# Altium PCB A车主控四层板V1.0.PcbDoc (part 1 of 2)
Units mil, origin at the board's own origin, x right, y up, seen from the top; angles counter-clockwise.
Board outline 6000 x 4000 mil, 2 copper layers (Top Layer, Bottom Layer); 110 components, 147 nets, 490 pads, 210 vias.
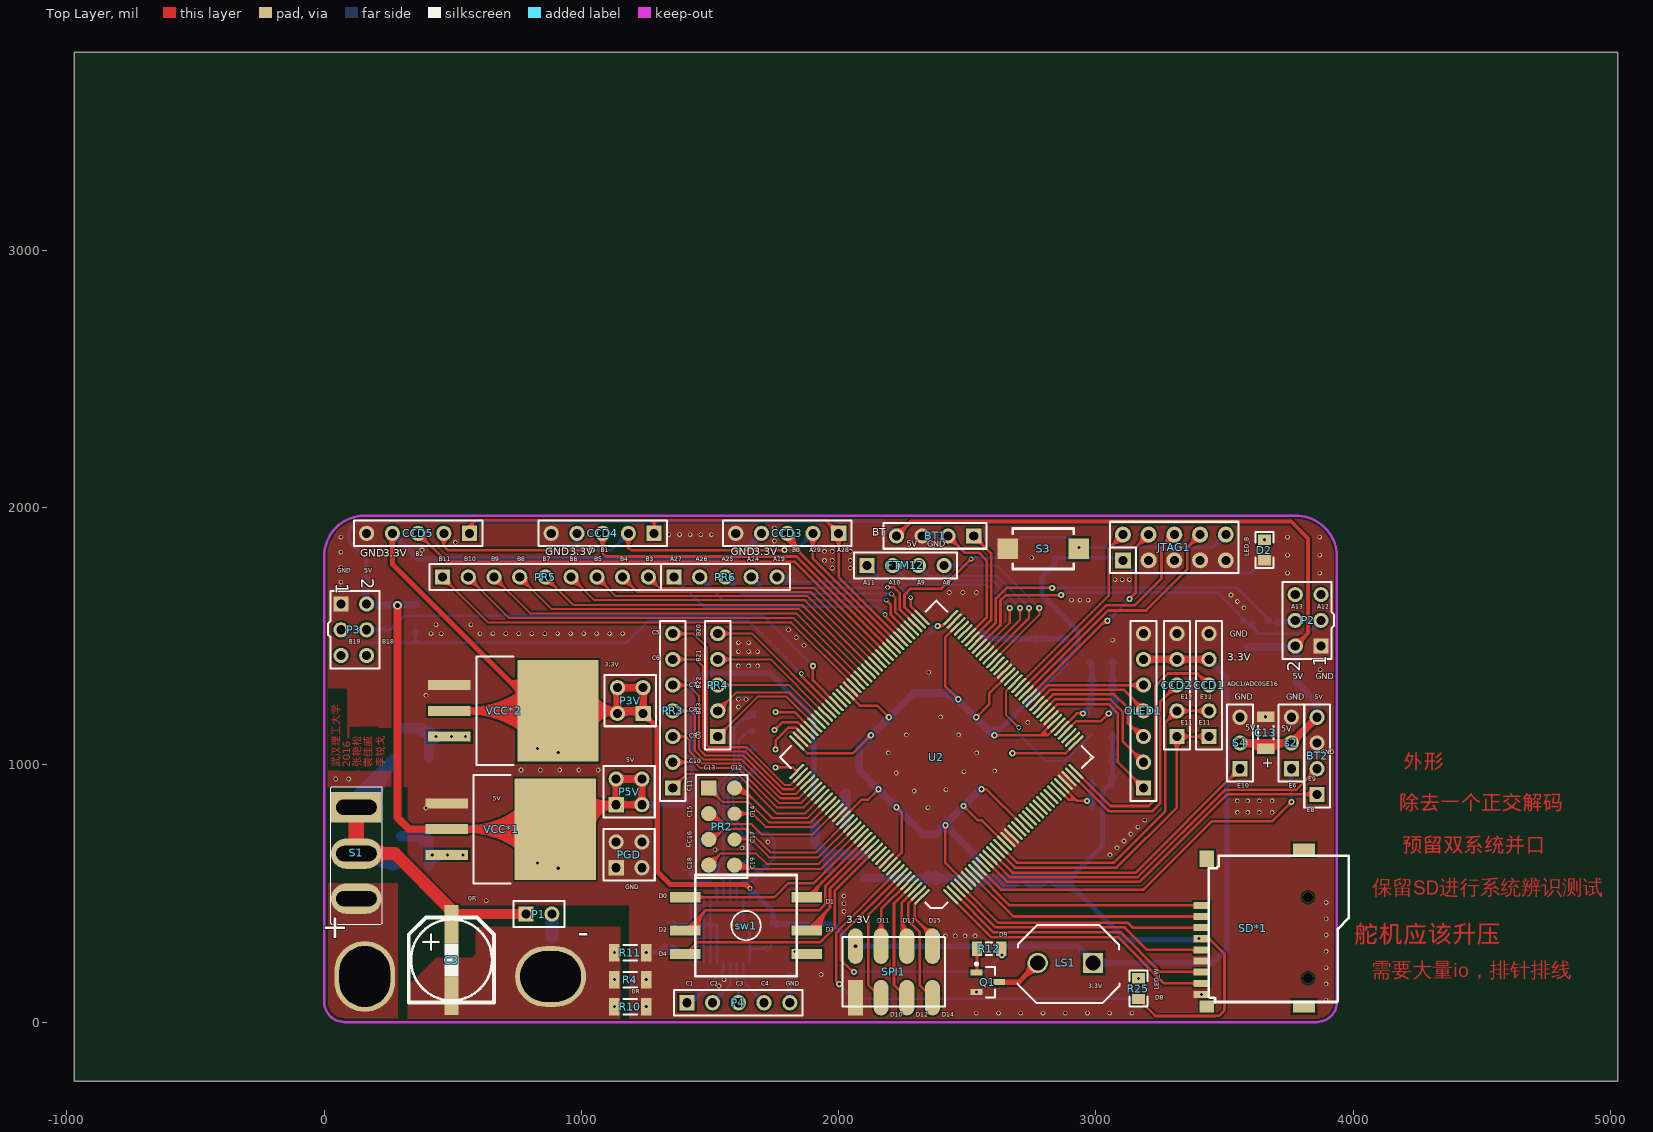
[diagram p0: Top Layer view]
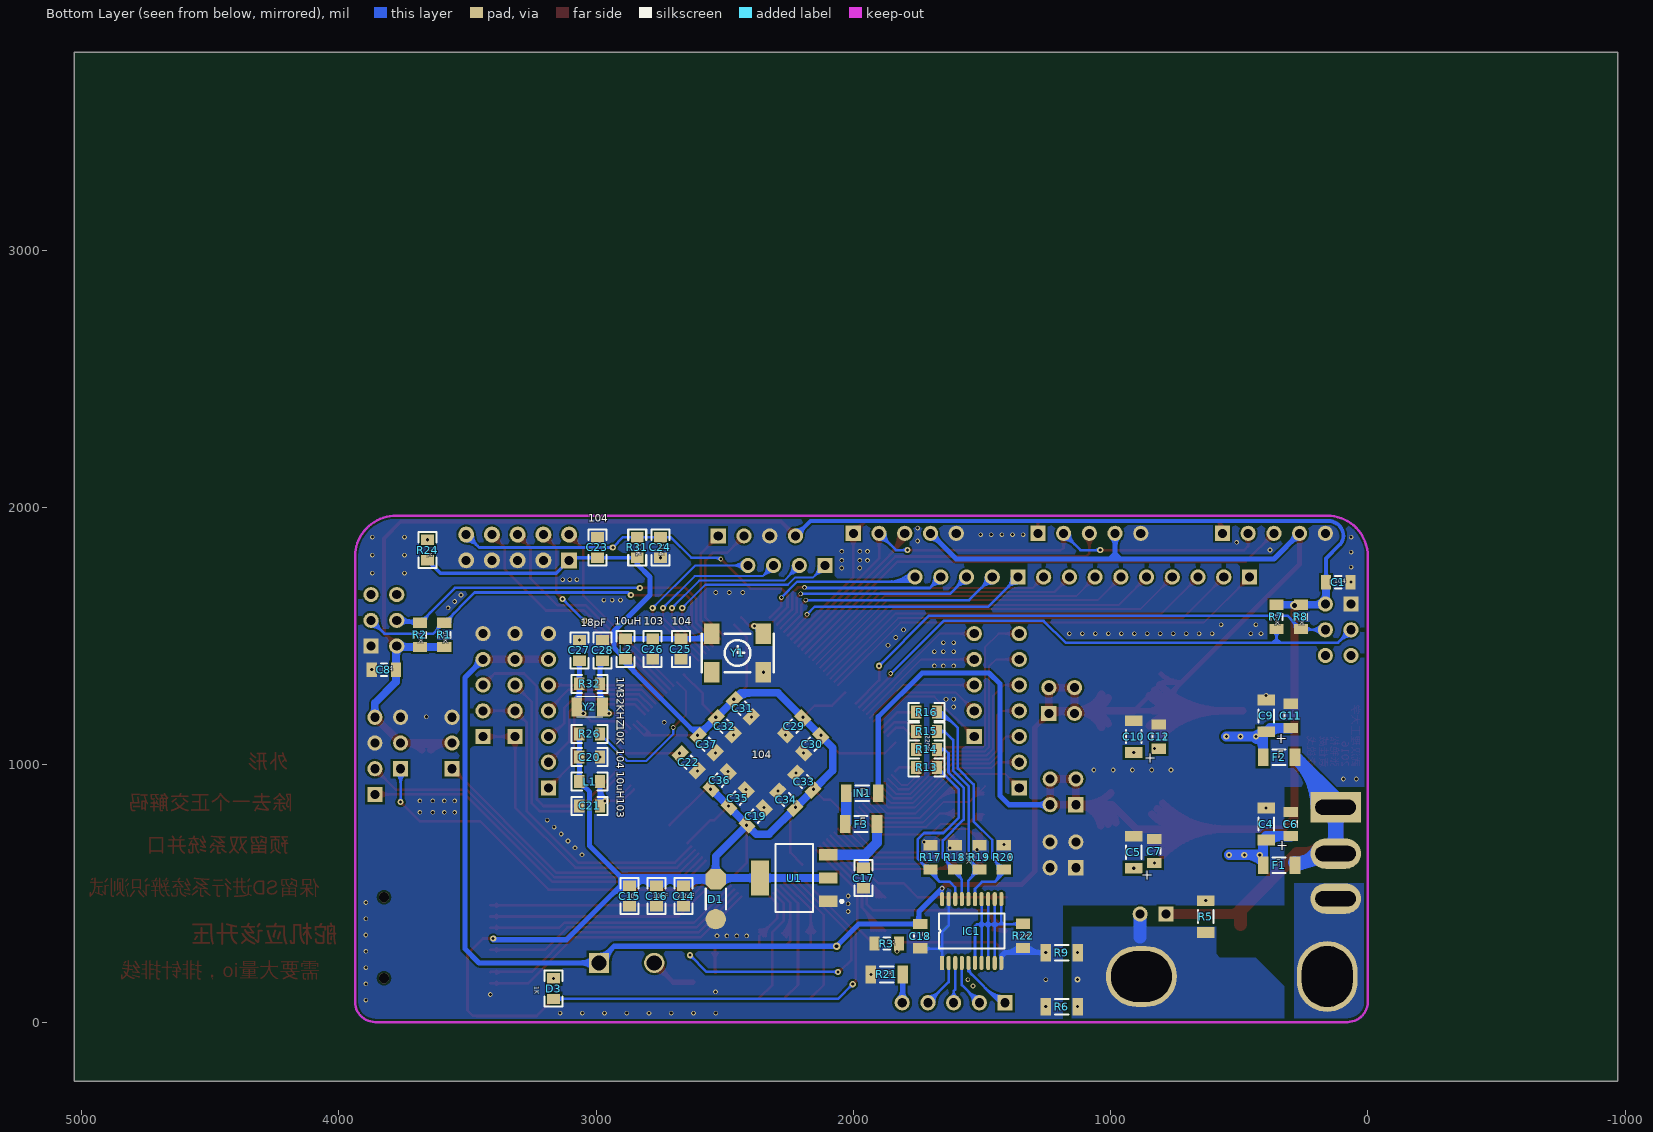
[diagram p1: Bottom Layer view, seen from below]

## Layer stack, top to bottom
Top Layer: signal copper 1.4
Dielectric: dielectric 12.6, FR-4, Dk 4.8
Bottom Layer: signal copper 1.4

## Board outline
-971.5,-230 5028.5,-230 5028.5,3770 -971.5,3770

## Design rules (kind name [scope] priority, off if disabled: settings)
Clearance [All] p1: gap=8
PlaneConnect [All] p1: planeconnectstyle=Direct reliefexpansion=20 reliefentries=4 reliefconductorwidth=10 reliefairgap=10
PolygonConnect [All] p1: connectstyle=Direct reliefconductorwidth=10 reliefentries=4 polygonreliefangle="90 Angle" airgapwidth=10
RoutingVias [All] p1: holewidth=28 width=50 viastyle="Through Hole" minholewidth=28 minwidth=50 maxholewidth=28 maxwidth=50
SolderMaskExpansion [All] p1: expansion=4
Width [All] p1: maxlimit=60 minlimit=8 preferedwidth=20 minimp=50.000000 maximp=50.000000 favimp=50.000000
27 further rules are at their usual default settings.

## Components (designator, comment, footprint, x,y, rotation, side; value= is the part's Value field where it differs from the comment)
BT1 "Header 4" HDR1X4 2525,1890 r180 top
BT2 "Header 4" HDR1X4 3860,885 r90 top
C1 "100nF" C2012 115,1710 r0 bottom
C3 "Cap Pol1" SMD-EC-F8 495,380 r270 top
C4 "Cap Pol1" 1206(2) 395,770 r90 bottom
C5 "Cap Pol1" 1206(2) 910,660 r90 bottom
C6 "Cap" C2012 300,770 r270 bottom
C7 "Cap" C2012 830,665 r270 bottom
C8 "100nF" C2012 3825,1370 r180 bottom
C9 "Cap Pol1" 1206(2) 395,1190 r90 bottom
C10 "Cap Pol1" 1206(2) 910,1110 r90 bottom
C11 "Cap" C2012 300,1190 r270 bottom
C12 "Cap" C2012 812.35,1110 r270 bottom
C13 "Cap Pol1" 1206(2) 3660,1125 r90 top
C14 "10uF" 0805 2660,490 r90 bottom
C15 "100nF" 0805 2870,490 r90 bottom
C16 "2.2uF" 0805 2765,490 r90 bottom
C17 "100nF" 0805 1960,560 r90 bottom
C18 "100nF" C2012 1740,334.02 r270 bottom
C19 "100nF" c2012 2380,800 r315 bottom
C20 "100nF" 0805 3025,1030 r0 bottom
C21 "10nF" 0805 3025,840 r180 bottom
C22 "100nF" c2012 2640,1010 r45 bottom
C23 "100nF" 0805 2995,1845 r90 bottom
C24 "100nF" 0805 2750,1845 r90 bottom
C25 "10nF" 0805 2670,1450 r90 bottom
C26 "100nF" 0805 2780,1450 r90 bottom
C27 "18pF" 0805 3065,1445 r270 bottom
C28 "18pF" 0805 2975,1445 r270 bottom
C29 "Cap" C2012 2230,1150 r135 bottom
C30 "Cap" C2012 2160,1080 r135 bottom
C31 "Cap" C2012 2430,1220 r45 bottom
C32 "Cap" C2012 2500,1150 r45 bottom
C33 "Cap" C2012 2190,935 r225 bottom
C34 "Cap" C2012 2260,865 r225 bottom
C35 "Cap" C2012 2450,870 r315 bottom
C36 "Cap" C2012 2520,940 r315 bottom
C37 "Cap" C2012 2570,1080 r45 bottom
CCD1 "CCD" HDR1X5 3440,1110 r90 top
CCD2 "CCD" HDR1X5 3315,1110 r90 top
CCD3 "CCD" HDR1X5 2000,1900 r180 top
CCD4 "CCD" HDR1X5 1282.5,1900 r180 top
CCD5 "CCD" HDR1X5 565,1900 r180 top
D1 "1N4729A" "hole-chip diode" 2495,400 r90 bottom
D2 "POWER" 0805 3655,1835 r270 top
D3 "POWER" 0805 3165,130 r270 bottom
F1 "1.5A" 1206(2) 345,610 r0 bottom
F2 "500mA" 1206(2) 345,1030 r0 bottom
F3 "300mA" 1206(2) 1970,770 r0 bottom
FTM12 "Header 4" HDR1X4 2110,1775 r0 top
IC1 "74LVC245" "TSSOP20 74lvc245" 1540,355 r90 bottom
IN1 "1SS355" 1206(2) 1965,890 r0 bottom
JTAG1 "Header 5X2" IDC5X2 3305,1845 r0 top
L1 "Inductor" 0805 3025,935 r180 bottom
L2 "Inductor" 0805 2885,1450 r90 bottom
LS1 "Buzzer" ABSM-1574 3115,220 r180 top
OLED1 "Header 7" HDR1X7 3185,910 r90 top
P1 "Header 2" HDR1X2 785,420 r0 top
P2 "Header 3X2" HDR2X3 3875,1461.68 r90 top
P3 "Header 3X2" HDR2X3 65,1625 r270 top
P3V "Header 2X2" HDR2X2 1240,1200 r90 top
P4 "Header 5" HDR1X5 1410,75 r0 top
P5V "Header 2X2" HDR2X2 1135,845 r0 top
PGD "Header 2X2" HDR2X2 1135,600 r0 top
PR2 "Header 4X2" HDR2X4 1495,910 r270 top
PR3 "Header 7" HDR1X7 1355,910 r90 top
PR4 "Header 5" HDR1X5 1530,1110 r90 top
PR5 "Header 9" HDR1X9 460,1730 r0 top
PR6 "Header 5" HDR1X5 1360,1730 r0 top
Q1 "QNPN" SOT95P240-3N 2580,155 r0 top
R1 "Res2" R2012 3590,1505 r270 bottom
R2 "Res2" R2012 3685,1505 r90 bottom
R3 "10k" R2012 1870,305 r180 bottom
R4 "Res2" 1206(2) 1190,165 r180 top
R5 "Res2" 1206(2) 630,410 r270 bottom
R6 "Res2" 1206(2) 1190,60 r180 bottom
R7 "Res2" R2012 355,1575 r270 bottom
R8 "Res2" R2012 260,1575 r90 bottom
R9 "Res2" 1206(2) 1190,270 r180 bottom
R10 "Res2" 1206(2) 1190,60 r180 top
R11 "Res2" 1206(2) 1190,270 r180 top
R12 "Res2" R2012 2585,285 r0 top
R13 "220R" 0805 1715,990 r180 bottom
R14 "220R" 0805 1715,1060 r180 bottom
R15 "220R" 0805 1715,1130 r180 bottom
R16 "220R" 0805 1715,1205 r180 bottom
R17 "Res2" R2012 1700,640 r90 bottom
R18 "Res2" R2012 1605,640 r90 bottom
R19 "Res2" R2012 1510,640 r90 bottom
R20 "Res2" R2012 1415,640 r90 bottom
R21 "Res2" 1206(2) 1870,185 r180 bottom
R22 "Res2" R2012 1340,335 r90 bottom
R24 "1K" 0805 3655,1835 r270 bottom
R25 "1K" 0805 3165,130 r270 top
R26 "10K" 0805 3025,1120 r180 bottom
R31 "10K" 0805 2840,1845 r270 bottom
R32 "1M" 0805 3025,1315 r180 bottom
S1 "SW-SPST" SW-125V6A(-) 125,835 r270 top
s2 "Header 3" HDR1X3 3760,985 r90 top
S3 "SW-PB" SMT_Button 2795,1840 r0 top
S4 "Header 3" HDR1X3 3560,985 r90 top
SD*1 "TF_card" SD_card 3755,290 r180 top
SPI1 "Header 4X2A" "SMT head4*1" 2220,200 r90 top
sw1 "SW-5" SW-5 1640,375 r0 top
U1 "REG1117" SOT223 2230,560 r90 bottom
U2 "K60P144" LQFP-144 2380,1030 r135 top
VCC*1 "LM1084" "DPAK LM2940" 725,750 r0 top
VCC*2 "LM1086" "DPAK LM2940" 735,1210 r0 top
Y1 "50MHZ" 贴片有源晶体 2550,1360 r180 bottom
Y2 "32.768K" CT3215 3075,1225 r180 bottom

## Footprints (in the part's own frame and the unit in brackets; to place one, negate y for a bottom-side part, rotate by r counter-clockwise, add the part's x,y. Pads: shape width x height; smd on the part's side, far side on the other; paste and mask are expansions set on the pad)
0805 [mil]
  rect 40x50 smd: 1(-40,0) 2(40,0)
  silkscreen extent -70,-35 70,35
1206(2) [mm]
  rect 1.05x1.75 smd: 1(-1.575,0) 2(1.575,0)
  silkscreen extent -0.65,-0.77 0.65,0.77, body extent -1.6,-0.8 1.6,0.8, height 1.6
ABSM-1574 [mm] "Magnetic Transducer Buzzer"
  rect 2x2 hole 1.5: 1A(3.202,-0.252)
  round 2 hole 1.5: 2A(8.663,-0.252)
  silkscreen extent 0.6,-4 10.68,3.72
C2012 [mm] "Chip Capacitor, 2-Leads, Body 2.0x1.2mm, IPC Low Density"
  rect 1x1.45 smd: 1(-1.2,0) 2(1.2,0)
  silkscreen extent -0.3,-0.63 0.3,0.63, body extent -0.98,-0.6 1.02,0.6, height 0.5
c2012 [mm] "Chip Capacitor, 2-Leads, Body 2.0x1.2mm, IPC Low Density"
  rect 1x1.45 smd: 1(-1.2,0) 2(1.2,0)
  silkscreen extent -0.3,-0.62 0.3,0.62, body extent -0.98,-0.6 1.02,0.6, height 0.5
CT3215 [mm]
  rect 1.05x1.85 smd: 1(0,0) 2(2.54,0)
  silkscreen extent 0,-1.02 2.54,1.02
"DPAK LM2940" [mm] "D2-PAK, 4-Pads, Body 7.93x8.69mm (max), IPC Medium Density"
  rect 4.2x1 smd: 1(-6.3,2.54) 2(-6.3,0) 3(-6.3,-2.54)
  rect 8x10 smd: 4(4.4,0)
  silkscreen extent -3.65,-5.35 0,5.35, body extent -3.65,-5.33 6,5.33, height 4.83
HDR1X2 [mm] "Connector; Header; 2 Position"
  rect 1.5x1.5 hole 0.9: 1(0,0)
  round 1.5 hole 0.9: 2(2.54,0)
  silkscreen extent -1.27,-1.27 3.81,1.27, body extent -1.27,-1.27 3.81,1.27, height 7.58
HDR1X3 [mm] "Connector; Header; 3 Position"
  rect 1.5x1.5 hole 0.9: 1(0,0)
  round 1.5 hole 0.9: 2(2.54,0) 3(5.08,0)
  silkscreen extent -1.27,-1.27 6.35,1.27, body extent -1.27,-1.27 6.35,1.27, height 7.58
HDR1X4 [mm] "Connector; Header; 4 Position"
  rect 1.5x1.5 hole 0.9: 1(0,0)
  round 1.5 hole 0.9: 2(2.54,0) 3(5.08,0) 4(7.62,0)
  silkscreen extent -1.27,-1.27 8.89,1.27, body extent -1.27,-1.27 8.89,1.27, height 7.58
HDR1X5 [mm] "Connector; Header; 5 Position"
  rect 1.5x1.5 hole 0.9: 1(0,0)
  round 1.5 hole 0.9: 2(2.54,0) 3(5.08,0) 4(7.62,0) 5(10.16,0)
  silkscreen extent -1.27,-1.27 11.43,1.27
HDR1X7 [mm] "Connector; Header; 7 Position"
  rect 1.5x1.5 hole 0.9: 1(0,0)
  round 1.5 hole 0.9: 2(2.54,0) 3(5.08,0) 4(7.62,0) 5(10.16,0) 6(12.7,0) 7(15.24,0)
  silkscreen extent -1.27,-1.27 16.51,1.27
HDR1X9 [mm] "Connector; Header; 9 Position"
  rect 1.5x1.5 hole 0.9: 1(0,0)
  round 1.5 hole 0.9: 2(2.54,0) 3(5.08,0) 4(7.62,0) 5(10.16,0) 6(12.7,0) 7(15.24,0) 8(17.78,0) 9(20.32,0)
  silkscreen extent -1.27,-1.27 21.59,1.27, body extent -1.27,-1.27 21.59,1.27, height 7.58
HDR2X2 [mm] "Connector; Header; 2x2 Position"
  rect 1.5x1.5 hole 0.9: 1(0,0)
  round 1.5 hole 0.9: 2(0,2.54) 3(2.54,0) 4(2.54,2.54)
  silkscreen extent -1.27,-1.27 3.81,3.81, body extent -1.27,-1.27 3.81,3.81, height 7.58
HDR2X3 [mm] "Connector; Header; 3x2 Position"
  rect 1.5x1.5 hole 0.9: 1(0,0)
  round 1.5 hole 0.9: 2(0,2.54) 3(2.54,0) 4(2.54,2.54) 5(5.08,0) 6(5.08,2.54)
  silkscreen extent -1.27,-1.27 6.35,3.81, body extent -1.27,-1.27 6.35,3.81, height 7.58
HDR2X4 [mm] "Connector; Header; 4x2 Position"
  rect 1.5x1.5 smd: 1(0,0)
  round 1.5 smd: 2(0,2.54) 3(2.54,0) 5(5.08,0) 7(7.62,0) 8(7.62,2.54)
  round 1.397 smd: 4(2.54,2.54) 6(5.08,2.54)
  silkscreen extent -1.27,-1.27 8.89,3.81
"hole-chip diode" [mm]
  round 2 smd: 1(0,1.016)
  oct 2x2 smd: 2(3.937,1.016)
  silkscreen extent 1,0 3,2
IDC5X2 [mil]
  rect 62x62 hole 35: 1(-200,-50)
  round 62 hole 35: 2(-200,50) 3(-100,-50) 4(-100,50) 5(0,-50) 6(0,50) 7(100,-50) 8(100,50) 9(200,-50) 10(200,50)
  silkscreen extent -250,-100 250,100
LQFP-144 [mil]
  oval 80x10 smd: 1(-423.07,344.49) 2(-423.07,324.8) 3(-423.07,305.12) 4(-423.07,285.43) 5(-423.07,265.75) 6(-423.07,246.06) 7(-423.07,226.38) 8(-423.07,206.69) 9(-423.07,187.01) 10(-423.07,167.32) 11(-423.07,147.64) 12(-423.07,127.95) 13(-423.07,108.27) 14(-423.07,88.58) 15(-423.07,68.9) 16(-423.07,49.21) 17(-423.07,29.53) 18(-423.07,9.84) 19(-423.07,-9.84) 20(-423.07,-29.53) 21(-423.07,-49.21) 22(-423.07,-68.9) 23(-423.07,-88.58) 24(-423.07,-108.27) 25(-423.07,-127.95) 26(-423.07,-147.64) 27(-423.07,-167.32) 28(-423.07,-187.01) 29(-423.07,-206.69) 30(-423.07,-226.38) 31(-423.07,-246.06) 32(-423.07,-265.75) 33(-423.07,-285.43) 34(-423.07,-305.12) 35(-423.07,-324.8) 36(-423.07,-344.49) 73(423.07,-344.49) 74(423.07,-324.8) 75(423.07,-305.12) 76(423.07,-285.43) 77(423.07,-265.75) 78(423.07,-246.06) 79(423.07,-226.38) 80(423.07,-206.69) 81(423.07,-187.01) 82(423.07,-167.32) 83(423.07,-147.64) 84(423.07,-127.95) 85(423.07,-108.27) 86(423.07,-88.58) 87(423.07,-68.9) 88(423.07,-49.21) 89(423.07,-29.53) 90(423.07,-9.84) 91(423.07,9.84) 92(423.07,29.53) 93(423.07,49.21) 94(423.07,68.9) 95(423.07,88.58) 96(423.07,108.27) 97(423.07,127.95) 98(423.07,147.64) 99(423.07,167.32) 100(423.07,187.01) 101(423.07,206.69) 102(423.07,226.38) 103(423.07,246.06) 104(423.07,265.75) 105(423.07,285.43) 106(423.07,305.12) 107(423.07,324.8) 108(423.07,344.49)
  oval 10x80 smd: 37(-344.49,-423.07) 38(-324.8,-423.07) 39(-305.12,-423.07) 40(-285.43,-423.07) 41(-265.75,-423.07) 42(-246.06,-423.07) 43(-226.38,-423.07) 44(-206.69,-423.07) 45(-187.01,-423.07) 46(-167.32,-423.07) 47(-147.64,-423.07) 48(-127.95,-423.07) 49(-108.27,-423.07) 50(-88.58,-423.07) 51(-68.9,-423.07) 52(-49.21,-423.07) 53(-29.53,-423.07) 54(-9.84,-423.07) 55(9.84,-423.07) 56(29.53,-423.07) 57(49.21,-423.07) 58(68.9,-423.07) 59(88.58,-423.07) 60(108.27,-423.07) 61(127.95,-423.07) 62(147.64,-423.07) 63(167.32,-423.07) 64(187.01,-423.07) 65(206.69,-423.07) 66(226.38,-423.07) 67(246.06,-423.07) 68(265.75,-423.07) 69(285.43,-423.07) 70(305.12,-423.07) 71(324.8,-423.07) 72(344.49,-423.07) 109(344.49,423.07) 110(324.8,423.07) 111(305.12,423.07) 112(285.43,423.07) 113(265.75,423.07) 114(246.06,423.07) 115(226.38,423.07) 116(206.69,423.07) 117(187.01,423.07) 118(167.32,423.07) 119(147.64,423.07) 120(127.95,423.07) 121(108.27,423.07) 122(88.58,423.07) 123(68.9,423.07) 124(49.21,423.07) 125(29.53,423.07) 126(9.84,423.07) 127(-9.84,423.07) 128(-29.53,423.07) 129(-49.21,423.07) 130(-68.9,423.07) 131(-88.58,423.07) 132(-108.27,423.07) 133(-127.95,423.07) 134(-147.64,423.07) 135(-167.32,423.07) 136(-187.01,423.07) 137(-206.69,423.07) 138(-226.38,423.07) 139(-246.06,423.07) 140(-265.75,423.07) 141(-285.43,423.07) 142(-305.12,423.07) 143(-324.8,423.07) 144(-344.49,423.07)
  silkscreen extent -430,-430 430,430
R2012 [mm] "Chip Resistor, 2-Leads, Body 2.0x1.2mm, IPC Low Density"
  rect 1x1.4 smd: 1(-1.2,0) 2(1.2,0)
  silkscreen extent -0.3,-0.6 0.3,0.6, body extent -0.98,-0.6 1.02,0.6, height 0.5
SD_card [mm]
  rect 1.6x0.7 smd: 1(8.732,-4.16) 2(8.732,-3.06) 3(8.732,-1.96) 4(8.732,-0.86) 5(8.732,0.24) 6(8.732,1.34) 7(8.732,2.44) 8(8.732,3.54) 9(8.732,4.64)
  rect 1.4x1.2 smd: 10(8.232,5.84)
  rect 2.2x1.2 smd: 11(-1.368,5.84) 12(-1.368,-9.66)
  rect 1.4x1.6 smd: 13(8.232,-8.76)
  silkscreen extent -5.79,-9.04 8.03,5.43
SMD-EC-F8 [mm]
  rect 3.8x1.4 smd: 1(0,0) 2(7.051,0)
  silkscreen extent -0.69,-4.22 7.71,4.2
"SMT head4*1" [mil]
  rect 137.8x59.06 smd: 1(-105,155)
  oval 137.8x59.06 smd: 2(-105,55) 3(-105,-45) 4(-105,-145) 5(95,155) 6(95,55) 7(95,-45) 8(95,-145)
  silkscreen extent -140,-194 130,206
SMT_Button [mil]
  rect 80x80 smd: 1(-137.8,0) 2(137.8,0)
  silkscreen extent -118,-79 118,79
SOT95P240-3N [mm] "SOT23, 3-Leads, Body 2.9x1.3mm, Pitch 0.95mm, Lead Span 2.4mm, IPC Medium Density"
  rect 1.15x0.6 smd: 1(-1.125,0.95) 2(-1.125,-0.95) 3(1.125,0)
  silkscreen extent -1.25,-1.5 0.7,1.92, body extent -0.7,-1.5 0.7,1.5, height 1.14
SOT223 [mm] "SOT-223/SC-73; 4 Leads; Body 6.7 x 7.3 mm, inc. leads (LxW max)"
  rect 1.1x1.8 smd: 1(-2.3,-3.375) 2(0,-3.375) 3(2.3,-3.375)
  rect 3.45x1.8 smd: 4(0,3.375)
  silkscreen extent -3.35,-4.82 3.35,1.85, body extent -3.25,-3.47 3.25,3.49, height 1.66
SW-5 [mm]
  rect 3x1 smd: 1(-6,2.8) 2(-6,-0.5) 3(-6,-2.8) 4(6,-2.8) 5(6,-0.5) 6(6,2.8)
  silkscreen extent -5,-5 5,5
SW-125V6A(-) [mm]
  rect 3x5 hole 1.5 slot 4 at 90 deg: 0(0,0)
  oval 3x5 hole 1.5 slot 4 at 90 deg: 1(4.572,0) 2(9.017,0)
  silkscreen extent -2.03,-2.54 11.56,2.54
"TSSOP20 74lvc245" [mm]
  rect 1.4x0.4 smd: 1(-3.175,2.921)
  oval 1.4x0.4 smd: 2(-3.175,2.271) 3(-3.175,1.621) 4(-3.175,0.971) 5(-3.175,0.321) 6(-3.175,-0.329) 7(-3.175,-0.979) 8(-3.175,-1.629) 9(-3.175,-2.279) 10(-3.175,-2.929) 11(3.125,-2.929) 12(3.125,-2.279) 13(3.125,-1.629) 14(3.125,-0.979) 15(3.125,-0.329) 16(3.125,0.321) 17(3.125,0.971) 18(3.125,1.621) 19(3.125,2.271) 20(3.125,2.921)
  silkscreen extent -1.74,-3.25 1.69,3.25
贴片有源晶体 [mil]
  rect 60x80 smd: 1(0,0) 2(200,0) 3(200,150) 4(0,150)
  silkscreen extent -40,0 240,150, body extent -37,-23 238,173, height 74

## Part data
BT1 BT2 FTM12: "Header, 4-Pin"
C1 C8 C14 C15 C16 C17 C18 C19 C20 C21 C22 C23 C24 C25 C26: library part Cap, "Capacitor"
C3 C4 C5 C9 C10 C13: "Polarized Capacitor (Radial)"
C6 C7 C11 C12 C29 C30 C31 C32 C33 C34 C35 C36 C37: "贴片电容"
C27 C28: library part 陶瓷电容, "CAP"
CCD1 CCD2 CCD3 CCD4 CCD5: library part "Header 5", "Header, 5-Pin"
D1 IN1: library part "Diode 1N4148", "High Conductance Fast Diode"
D2 D3: library part LED, "Typical INFRARED GaAs LED"
F1 F2 F3: library part "Fuse 1", "Fuse"
JTAG1: "Header, 5-Pin, Dual row"
LS1: "Magnetic Transducer Buzzer"
OLED1 PR3: "Header, 7-Pin"
P1: "Header, 2-Pin"
P2 P3: "Header, 3-Pin, Dual row"
P3V P5V PGD: "Header, 2-Pin, Dual row"
P4 PR4 PR6: "Header, 5-Pin"
PR2 SPI1: "Header, 4-Pin, Dual row"
PR5: "Header, 9-Pin"
Q1: "NPN Bipolar Transistor"
R1 R2 R4 R5 R6 R7 R8 R9 R10 R11 R12 R17 R18 R19 R20 R21 R22: "Resistor"
R3: library part Res, "Resistor of led"
R13 R14 R15 R16 R24 R25 R26 R31 R32: library part Res, "Resistor"
S1: "Single-Pole, Single-Throw Switch"
s2 S4: "Header, 3-Pin"
S3: "Switch"
U1: "800mA and 1A Low Dropout Positive Regulator 2.85V, 3.3V, 5V, and Adjustable"
VCC*1: library part LM1086
Y1: library part XTAL1
Y2: library part XTAL, "Crystal Oscillator"

## Free pads (board coordinates)
  oval 236.22x275.59 hole 196.85 slot 236.22 at 90 deg: 1(157.48,177.17)
  oval 275.59x236.22 hole 196.85 slot 236.22 at 0 deg: 2(880,177.17)

## Via types
v1: diameter 18, hole 12, Top Layer to Bottom Layer, 160 vias
v2: diameter 24, hole 12, Top Layer to Bottom Layer, 46 vias
v3: diameter 39.37, hole 39.37, Top Layer to Bottom Layer, 2 vias
v4: diameter 30, hole 15, Top Layer to Bottom Layer, 1 vias
v5: diameter 34, hole 20, Top Layer to Bottom Layer, 1 vias

## Nets (pads, with @x,y where several pads share a name; then routed paths per layer and width w, separated by ;. In a path a pad name is that pad's centre, name@x,y a point inside that pad or via, vN(x,y) a via of type N, cw(c..) or ccw(c..) an arc to the next point about the centre after c; other vN are vias at no path point)
3.3V: C10.1 C12.2 C18.1 CCD1.4 CCD2.4 CCD3.4 CCD4.4 CCD5.4 IC1.20 LS1.1A OLED1.6 P3V.1 P3V.2 P3V.3 P3V.4 SPI1.5 VCC*2.2 VCC*2.4 | length 11806.7
  Top Layer w20: CCD5.4@251.19,1886.19 cw(c217.86,1852.86) 265,1852.86 cw(c312.14,1852.86) CCD5.4@278.81,1886.19 ; CCD5.4@265,1900 265,1780 725,1320 ; 736.08,1308.92 cw(c676.54,1249.37) VCC*2.4@760.75,1249.37 ; VCC*2.4@803.02,1352.72 cw(c725.01,1429.35) 725.01,1320 ; P3V.1@1240,1180.47 cw(c1240,1133.33) 1273.34,1166.66 cw(c1306.67,1200) P3V.1@1259.53,1200 ; P3V.1@1240,1200 1295,1145 1295,585 1345,535 1640,535 v1(1655,520) ; 725,1320 798.23,1320 VCC*2.4@908.23,1210 835,1210 725,1320
  Top Layer w30: VCC*2.2@486.97,1210 VCC*2.4@835,1210 ; VCC*2.4@807.48,1109.25 ccw(c564.25,866.02) 564.25,1210 ccw(c564.25,1553.98) VCC*2.4@807.48,1310.75 ; VCC*2.4@828.69,1130.46 ccw(c636.68,938.45) 636.68,1210 ccw(c636.68,1481.55) VCC*2.4@828.69,1289.54 ; VCC*2.4@849.91,1151.68 ccw(c709.1,1010.87) 709.1,1210 ccw(c709.1,1409.13) VCC*2.4@849.91,1268.32 ; VCC*2.4@908.23,1210 P3V.2@1140,1210 ; VCC*2.4@1008.59,1159.22 cw(c1091.19,1117.43) 1091.19,1210 cw(c1091.19,1302.57) VCC*2.4@1008.59,1260.78 ; VCC*2.4@1035.36,1145.68 cw(c1139.99,1092.75) P3V.2@1139.99,1210 ; VCC*2.4@1035.36,1274.32 ccw(c1139.99,1327.25) P3V.2@1139.99,1210 ; 1080.79,1210 cw(c1080.79,1140.79) P3V.2@1129.73,1189.73 ; P3V.2@1129.73,1210.27 ccw(c1104.93,1235.07) 1140,1235.07 ccw(c1175.07,1235.07) P3V.2@1150.27,1210.27 ; P3V.4@1129.73,1289.73 cw(c1104.93,1264.93) 1140,1264.93 cw(c1175.07,1264.93) 1150.27,1289.73 cw(c1175.07,1264.93) 1175.07,1300 cw(c1175.07,1335.07) P3V.4@1150.27,1310.27 ; P3V.2@1140,1200 P3V.2@1140,1210 ; P3V.2@1150.27,1189.73 cw(c1199.21,1140.79) 1199.21,1210 ; 1180.79,1210 cw(c1180.79,1140.79) P3V.1@1229.73,1189.73 ; P3V.1@1229.73,1210.27 ccw(c1204.93,1235.07) 1240,1235.07 ccw(c1275.07,1235.07) P3V.1@1250.27,1210.27 ; P3V.3@1229.73,1310.27 cw(c1204.93,1335.07) 1204.93,1300 cw(c1204.93,1264.93) 1229.73,1289.73 cw(c1204.93,1264.93) 1240,1264.93 cw(c1275.07,1264.93) P3V.3@1250.27,1289.73 ; OLED1.6@3185,1410 CCD2.4@3315,1410 CCD1.4@3440,1410 ; OLED1.6@3195.27,1399.73 cw(c3220.07,1374.93) 3220.07,1410 cw(c3220.07,1445.07) OLED1.6@3195.27,1420.27 ; CCD2.4@3304.73,1399.73 ccw(c3279.93,1374.93) 3279.93,1410 ccw(c3279.93,1445.07) CCD2.4@3304.73,1420.27 ; CCD2.4@3325.27,1399.73 cw(c3350.07,1374.93) 3350.07,1410 cw(c3350.07,1445.07) CCD2.4@3325.27,1420.27 ; CCD1.4@3429.73,1399.73 ccw(c3404.93,1374.93) 3404.93,1410 ccw(c3404.93,1445.07) CCD1.4@3429.73,1420.27 ; P3V.2@1140,1210 P3V.4@1140,1300 P3V.3@1240,1300 P3V.1@1240,1200 1230,1210 P3V.2@1140,1210
  Bottom Layer w10: v1@1652.17,517.17 cw(c1645.34,510.34) 1655,510.34 cw(c1664.66,510.34) v1@1657.83,517.17 ; IC1.20@1655,478.03 IC1.20@1655,500 ; v1(1655,520) IC1.20@1655,500 ; IC1.20@1657.87,497.72 cw(c1670.32,497.72) 1661.52,506.52 ; 1665,510 IC1.20@1655,500 ; C18.1@1740,381.26 C18.1@1745,386.26